# KiCad board hvd-50-idc-panel.kicad_pcb (continued)
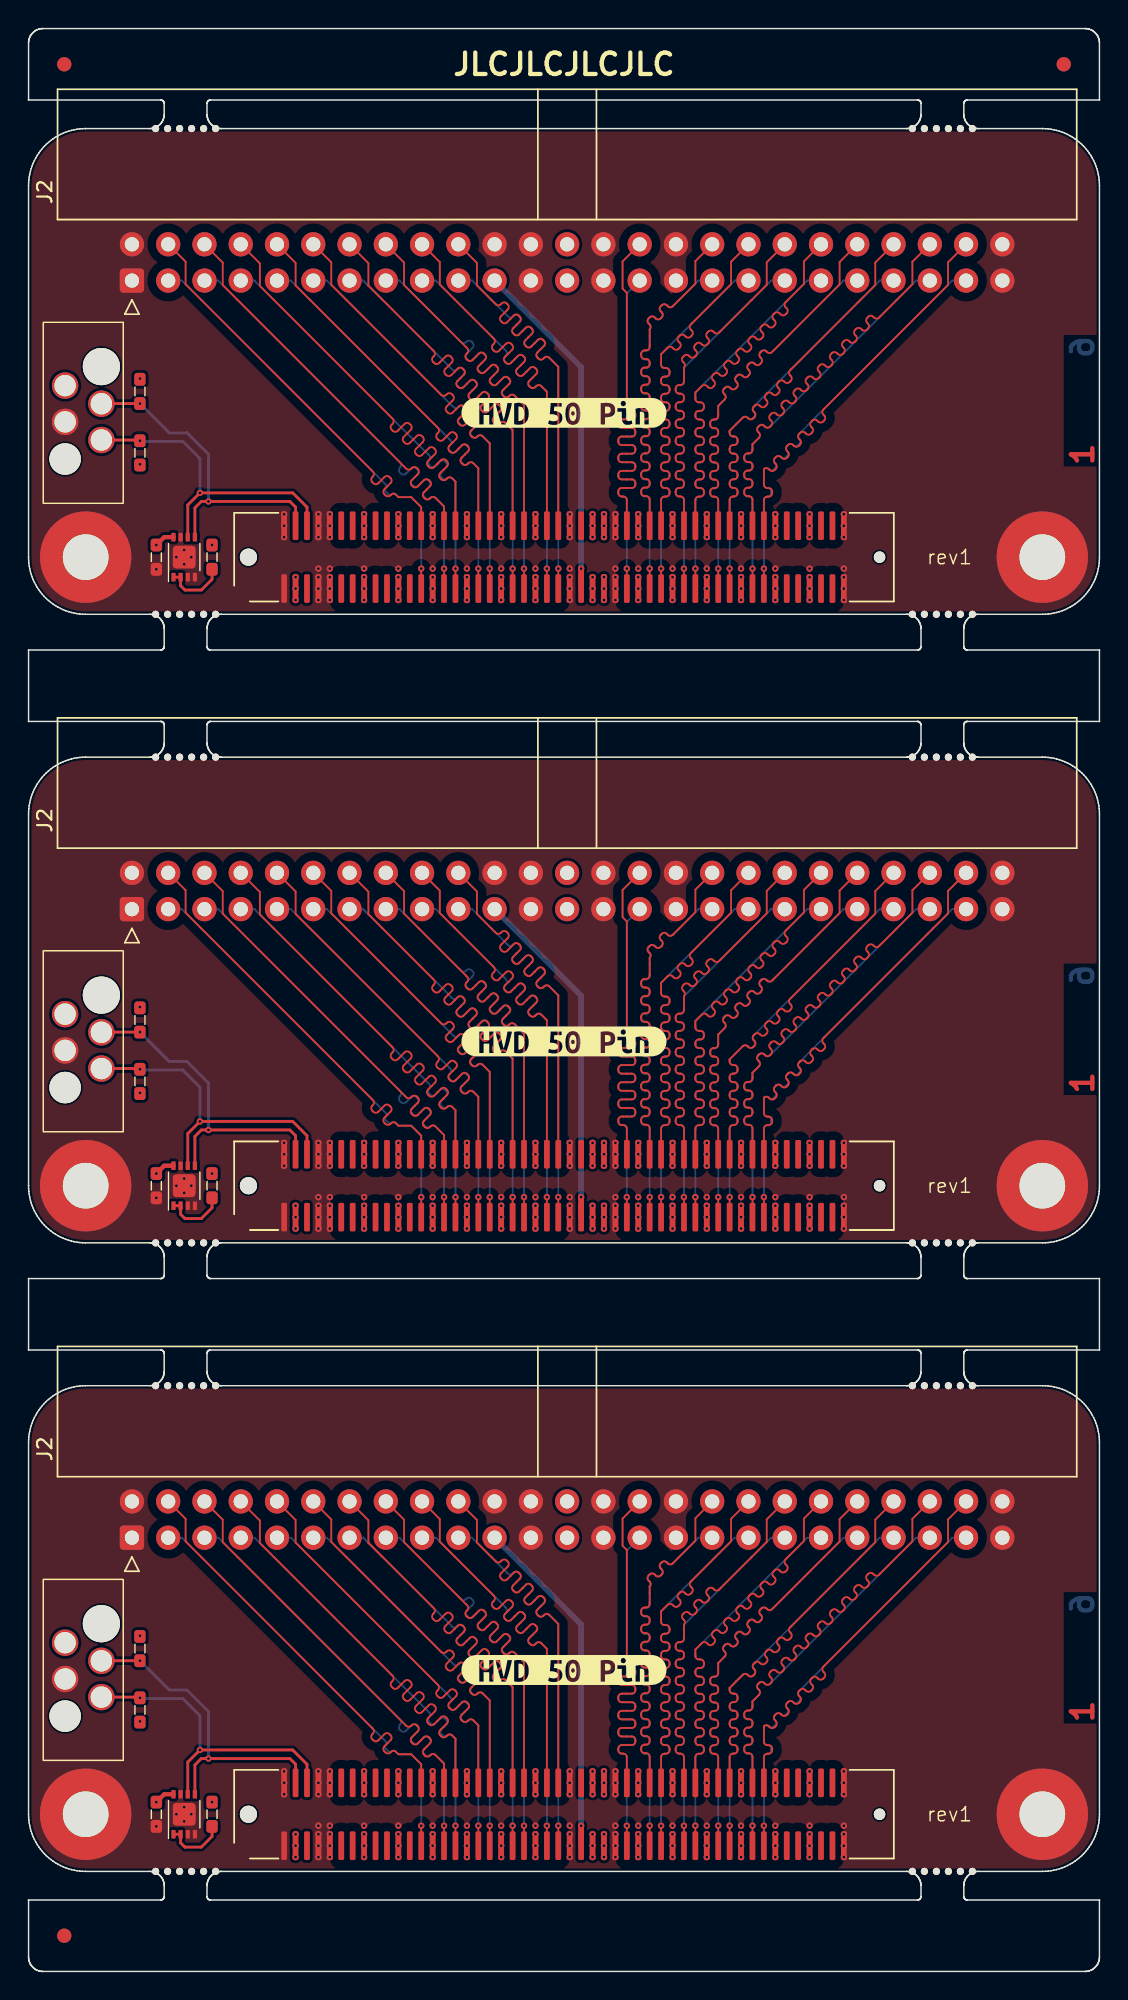
[diagram p0: board, top side]
## Routing (per net, layer and track width the routed paths; a pad name or vN(x,y) marks a point on that pad's centre or on a via; arc(x,y) is an arc through that point) (continued)
Board_0-/CON.RST+: length 30.4
  Top w0.128: J1#2.71 v1(45.9,98.2)
  Bottom w0.128: v1(45.9,98.2) 45.9,103 arc(45.83,103.17) 45.66,103.24 45.55,103.24 arc(45.38,103.31) 45.31,103.48 45.31,103.6 arc(45.38,103.77) 45.55,103.84 45.66,103.84 arc(45.83,103.91) 45.9,104.08 45.9,104.2 arc(45.83,104.37) 45.66,104.44 45.55,104.44 arc(45.38,104.51) 45.31,104.68 45.31,104.8 arc(45.38,104.97) 45.55,105.04 45.66,105.04 arc(45.83,105.11) 45.9,105.28 45.9,105.4 arc(45.83,105.57) 45.66,105.64 45.55,105.64 arc(45.38,105.71) 45.31,105.88 45.31,106 arc(45.38,106.17) 45.55,106.24 45.66,106.24 arc(45.83,106.31) 45.9,106.48 45.9,106.6 arc(45.83,106.77) 45.66,106.84 45.55,106.84 arc(45.38,106.91) 45.31,107.08 45.31,107.2 arc(45.38,107.37) 45.55,107.44 45.66,107.44 arc(45.83,107.51) 45.9,107.68 45.9,107.8 arc(45.83,107.97) 45.66,108.04 45.55,108.04 arc(45.38,108.11) 45.31,108.28 45.31,108.4 arc(45.38,108.57) 45.55,108.64 45.66,108.64 arc(45.83,108.71) 45.9,108.88 45.9,109 arc(45.83,109.17) 45.66,109.24 45.55,109.24 arc(45.38,109.31) 45.31,109.48 45.31,109.6 arc(45.38,109.77) 45.55,109.84 45.66,109.84 arc(45.83,109.91) 45.9,110.08 45.9,110.2 arc(45.83,110.37) 45.66,110.44 45.55,110.44 arc(45.38,110.51) 45.31,110.68 45.31,110.8 arc(45.38,110.97) 45.55,111.04 45.66,111.04 arc(45.83,111.11) 45.9,111.28 45.9,112.27 52,118.36 J2#2.37
Board_0-/CON.RST-: length 30
  Top w0.128: J1#2.72 45.9,103.01 arc(45.83,103.18) 45.66,103.25 45.56,103.25 arc(45.39,103.32) 45.32,103.49 45.32,103.61 arc(45.39,103.78) 45.56,103.85 45.66,103.85 arc(45.83,103.92) 45.9,104.09 45.9,104.21 arc(45.83,104.38) 45.66,104.45 45.56,104.45 arc(45.39,104.52) 45.32,104.69 45.32,104.81 arc(45.39,104.98) 45.56,105.05 45.66,105.05 arc(45.83,105.12) 45.9,105.29 45.9,105.41 arc(45.83,105.58) 45.66,105.65 45.56,105.65 arc(45.39,105.72) 45.32,105.89 45.32,106.01 arc(45.39,106.18) 45.56,106.25 45.66,106.25 arc(45.83,106.32) 45.9,106.49 45.9,106.61 arc(45.83,106.78) 45.66,106.85 45.56,106.85 arc(45.39,106.92) 45.32,107.09 45.32,107.21 arc(45.39,107.38) 45.56,107.45 45.66,107.45 arc(45.83,107.52) 45.9,107.69 45.9,107.81 arc(45.83,107.98) 45.66,108.05 45.56,108.05 arc(45.39,108.12) 45.32,108.29 45.32,108.41 arc(45.39,108.58) 45.56,108.65 45.66,108.65 arc(45.83,108.72) 45.9,108.89 45.9,109.01 arc(45.83,109.18) 45.66,109.25 45.56,109.25 arc(45.39,109.32) 45.32,109.49 45.32,109.61 arc(45.39,109.78) 45.56,109.85 45.66,109.85 arc(45.83,109.92) 45.9,110.09 45.9,110.21 arc(45.83,110.38) 45.66,110.45 45.56,110.45 arc(45.39,110.52) 45.32,110.69 45.32,110.81 arc(45.39,110.98) 45.56,111.05 45.66,111.05 arc(45.83,111.12) 45.9,111.29 45.9,112.27 arc(45.97,112.44) 45.9,112.61 45.83,112.68 arc(45.76,112.84) 45.83,113.01 45.92,113.1 arc(46.09,113.17) 46.26,113.1 46.32,113.03 arc(46.49,112.96) 46.66,113.03 46.75,113.12 arc(46.82,113.29) 46.75,113.45 46.68,113.52 arc(46.61,113.69) 46.68,113.86 46.76,113.95 arc(46.93,114.02) 47.1,113.95 47.17,113.88 arc(47.34,113.81) 47.51,113.88 47.6,113.96 arc(47.67,114.13) 47.6,114.3 47.53,114.37 arc(47.46,114.54) 47.53,114.71 47.61,114.8 arc(47.78,114.87) 47.95,114.8 48.02,114.73 arc(48.19,114.66) 48.36,114.73 51.7,118.07 51.7,119.64 J2#2.38
Board_0-/CON.SEL+: length 32.9
  Top w0.128: J1#2.77 v1(48.3,98.2)
  Bottom w0.128: J2#2.41 57.08,118.36 52.07,113.36 arc(51.9,113.29) 51.73,113.36 51.66,113.43 arc(51.49,113.5) 51.32,113.43 51.23,113.34 arc(51.16,113.17) 51.23,113 51.31,112.93 arc(51.38,112.76) 51.31,112.59 51.22,112.51 arc(51.05,112.44) 50.88,112.51 50.81,112.58 arc(50.64,112.65) 50.47,112.58 50.38,112.49 arc(50.31,112.32) 50.38,112.16 50.46,112.08 arc(50.53,111.91) 50.46,111.74 50.37,111.66 arc(50.2,111.59) 50.03,111.66 49.96,111.73 arc(49.79,111.8) 49.62,111.73 49.54,111.65 arc(49.47,111.48) 49.54,111.31 49.61,111.23 arc(49.68,111.06) 49.61,110.9 49.52,110.81 arc(49.35,110.74) 49.18,110.81 49.11,110.88 arc(48.94,110.95) 48.77,110.88 48.69,110.8 arc(48.62,110.63) 48.69,110.46 48.76,110.39 arc(48.83,110.22) 48.76,110.05 48.3,109.59 48.3,108.86 arc(48.23,108.69) 48.06,108.62 47.96,108.62 arc(47.79,108.55) 47.72,108.38 47.72,108.26 arc(47.79,108.09) 47.96,108.02 48.06,108.02 arc(48.23,107.95) 48.3,107.78 48.3,107.66 arc(48.23,107.49) 48.06,107.42 47.96,107.42 arc(47.79,107.35) 47.72,107.18 47.72,107.06 arc(47.79,106.89) 47.96,106.82 48.06,106.82 arc(48.23,106.75) 48.3,106.58 48.3,106.46 arc(48.23,106.29) 48.06,106.22 47.96,106.22 arc(47.79,106.15) 47.72,105.98 47.72,105.86 arc(47.79,105.69) 47.96,105.62 48.06,105.62 arc(48.23,105.55) 48.3,105.38 48.3,105.26 arc(48.23,105.09) 48.06,105.02 47.96,105.02 arc(47.79,104.95) 47.72,104.78 47.72,104.66 arc(47.79,104.49) 47.96,104.42 48.06,104.42 arc(48.23,104.35) 48.3,104.18 48.3,104.06 arc(48.23,103.89) 48.06,103.82 47.96,103.82 arc(47.79,103.75) 47.72,103.58 47.72,103.46 arc(47.79,103.29) 47.96,103.22 48.06,103.22 arc(48.23,103.15) 48.3,102.98 v1(48.3,98.2)
Board_0-/CON.SEL-: length 30
  Top w0.128: J2#2.42 56.8,119.66 56.8,118.09 52.07,113.36 arc(51.9,113.29) 51.73,113.36 51.68,113.41 arc(51.51,113.48) 51.34,113.41 51.25,113.33 arc(51.18,113.16) 51.25,112.99 51.31,112.93 arc(51.38,112.76) 51.31,112.59 51.22,112.51 arc(51.05,112.44) 50.88,112.51 50.83,112.56 arc(50.66,112.63) 50.49,112.56 50.4,112.48 arc(50.33,112.31) 50.4,112.14 50.46,112.08 arc(50.53,111.91) 50.46,111.74 50.37,111.66 arc(50.2,111.59) 50.03,111.66 49.98,111.71 arc(49.81,111.78) 49.64,111.71 49.55,111.63 arc(49.48,111.46) 49.55,111.29 49.61,111.23 arc(49.68,111.06) 49.61,110.9 49.52,110.81 arc(49.35,110.74) 49.18,110.81 49.13,110.86 arc(48.96,110.93) 48.79,110.86 48.71,110.78 arc(48.64,110.61) 48.71,110.44 48.76,110.39 arc(48.83,110.22) 48.76,110.05 48.3,109.59 48.3,108.88 arc(48.23,108.71) 48.06,108.64 47.98,108.64 arc(47.81,108.57) 47.74,108.4 47.74,108.28 arc(47.81,108.11) 47.98,108.04 48.06,108.04 arc(48.23,107.97) 48.3,107.8 48.3,107.68 arc(48.23,107.51) 48.06,107.44 47.98,107.44 arc(47.81,107.37) 47.74,107.2 47.74,107.08 arc(47.81,106.91) 47.98,106.84 48.06,106.84 arc(48.23,106.77) 48.3,106.6 48.3,106.48 arc(48.23,106.31) 48.06,106.24 47.98,106.24 arc(47.81,106.17) 47.74,106 47.74,105.88 arc(47.81,105.71) 47.98,105.64 48.06,105.64 arc(48.23,105.57) 48.3,105.4 48.3,105.28 arc(48.23,105.11) 48.06,105.04 47.98,105.04 arc(47.81,104.97) 47.74,104.8 47.74,104.68 arc(47.81,104.51) 47.98,104.44 48.06,104.44 arc(48.23,104.37) 48.3,104.2 48.3,104.08 arc(48.23,103.91) 48.06,103.84 47.98,103.84 arc(47.81,103.77) 47.74,103.6 47.74,103.48 arc(47.81,103.31) 47.98,103.24 48.06,103.24 arc(48.23,103.17) 48.3,103 J1#2.78
Board_0-/CON.TERMPWR:
  vias: v1(39.5,102) v1(39.5,101.2) v1(39.5,100.4) v1(39.5,97.6) v1(39.5,96.8) v1(39.5,96) v1(40.3,102) v1(40.3,101.2) v1(40.3,100.4) v1(40.3,97.6) v1(40.3,96.8) v1(40.3,96)
Board_0-/PHY.ID_SCL: length 22.5
  Top w0.2: U1#2.6 11.15,102.65 v1(12,103.5) 18.5,103.5 19.5,102.5 J1#2.6 ; v1(7.8,107.15) 7.45,107.15 7.4,107.2 J3.4
  Bottom w0.2: v1(7.8,107.15) 7.85,107.1 10.8,107.1 12,105.9 v1(12,103.5)
Board_0-/PHY.ID_SDA: length 23
  Top w0.2: J3.2 5.11,109.75 v1(7.8,109.75) ; J1#2.4 18.7,102.5 18.3,102.9 12.1,102.9 11.65,102.45 U1#2.5
  Bottom w0.2: v1(12.6,102.9) 12.6,106.2 11.1,107.7 9.85,107.7 v1(7.8,109.75)
Board_0-GND:
  vias: v1(8.95,98.15) v1(10.35,99) v1(10.9,99.5) v1(10.9,98.5) v1(11.4,99) v1(17.9,102) v1(17.9,101.2) v1(17.9,100.4) v1(20.3,102) v1(20.3,101.2) v1(20.3,100.4) v1(20.3,98.2) v1(20.3,97.6) v1(20.3,96.8) v1(20.3,96) v1(21.1,102) v1(21.1,101.2) v1(21.1,100.4) v1(21.1,98.2) v1(21.1,97.6) v1(21.1,96.8) v1(21.1,96) v1(23.5,102) v1(23.5,101.2) v1(23.5,100.4) v1(23.5,98.2) v1(23.5,97.6) v1(23.5,96.8) v1(23.5,96) v1(25.9,102) v1(25.9,101.2) v1(25.9,100.4) v1(25.9,98.2) v1(25.9,97.6) v1(25.9,96.8) v1(25.9,96) v1(28.3,102) v1(28.3,101.2) v1(28.3,100.4) v1(28.3,98.2) v1(28.3,97.6) v1(28.3,96.8) v1(28.3,96) v1(30.7,102) v1(30.7,101.2) v1(30.7,100.4) v1(30.7,98.2) v1(30.7,97.6) v1(30.7,96.8) v1(30.7,96) v1(33.1,102) v1(33.1,101.2) v1(33.1,100.4) v1(33.1,98.2) v1(33.1,97.6) v1(33.1,96.8) v1(33.1,96) v1(35.5,102) v1(35.5,101.2) v1(35.5,100.4) v1(35.5,98.2) v1(35.5,97.6) v1(35.5,96.8) v1(35.5,96) v1(37.9,102) v1(37.9,101.2) v1(37.9,100.4) v1(37.9,98.2) v1(37.9,97.6) v1(37.9,96.8) v1(37.9,96) v1(41.1,102) v1(41.1,101.2) v1(41.1,100.4) v1(41.1,98.2) v1(41.1,97.6) v1(41.1,96.8) v1(41.1,96) v1(42.7,102) v1(42.7,101.2) v1(42.7,100.4) v1(42.7,98.2) v1(42.7,97.6) v1(42.7,96.8) v1(42.7,96) v1(45.1,102) v1(45.1,101.2) v1(45.1,100.4) v1(45.1,98.2) v1(45.1,97.6) v1(45.1,96.8) v1(45.1,96) v1(47.5,102) v1(47.5,101.2) v1(47.5,100.4) v1(47.5,98.2) v1(47.5,97.6) v1(47.5,96.8) v1(47.5,96) v1(49.9,102) v1(49.9,101.2) v1(49.9,100.4) v1(49.9,98.2) v1(49.9,97.6) v1(49.9,96.8) v1(49.9,96) v1(52.3,102) v1(52.3,101.2) v1(52.3,100.4) v1(52.3,98.2) v1(52.3,97.6) v1(52.3,96.8) v1(52.3,96) v1(54.7,102) v1(54.7,101.2) v1(54.7,100.4) v1(54.7,98.2) v1(54.7,97.6) v1(54.7,96.8) v1(54.7,96) v1(57.1,102) v1(57.1,101.2) v1(57.1,100.4) v1(57.1,98.2) v1(57.1,97.6) v1(57.1,96.8) v1(57.1,96)
Board_0-Net-(U1-E0): length 4.4
  Top w0.2: U1#2.1 U1#2.2 10.65,97 10.95,96.7 12.1,96.7 12.85,97.45 R1.1
Board_1-+3V3: length 1.4
  Top w0.3: U1.8 9.5,56.4 v1(8.95,55.85)
  vias: v1(7.8,67.5) v1(7.8,61.5) v1(12.85,55.85) v1(18.7,53.6) v1(18.7,52.8) v1(18.7,52)
Board_1-/CON.ACK+: length 30.4
  Top w0.128: J1#3.67 v1(44.3,54.2)
  Bottom w0.128: J2#3.35 49.46,74.36 44.3,69.21 44.3,68.48 arc(44.37,68.31) 44.54,68.24 44.62,68.24 arc(44.79,68.17) 44.86,68 44.86,67.88 arc(44.79,67.71) 44.62,67.64 44.54,67.64 arc(44.37,67.57) 44.3,67.4 44.3,67.28 arc(44.37,67.11) 44.54,67.04 44.62,67.04 arc(44.79,66.97) 44.86,66.8 44.86,66.68 arc(44.79,66.51) 44.62,66.44 44.54,66.44 arc(44.37,66.37) 44.3,66.2 44.3,66.08 arc(44.37,65.91) 44.54,65.84 44.62,65.84 arc(44.79,65.77) 44.86,65.6 44.86,65.48 arc(44.79,65.31) 44.62,65.24 44.54,65.24 arc(44.37,65.17) 44.3,65 44.3,64.88 arc(44.37,64.71) 44.54,64.64 44.62,64.64 arc(44.79,64.57) 44.86,64.4 44.86,64.28 arc(44.79,64.11) 44.62,64.04 44.54,64.04 arc(44.37,63.97) 44.3,63.8 44.3,63.68 arc(44.37,63.51) 44.54,63.44 44.62,63.44 arc(44.79,63.37) 44.86,63.2 44.86,63.08 arc(44.79,62.91) 44.62,62.84 44.54,62.84 arc(44.37,62.77) 44.3,62.6 44.3,62.48 arc(44.37,62.31) 44.54,62.24 44.62,62.24 arc(44.79,62.17) 44.86,62 44.86,61.88 arc(44.79,61.71) 44.62,61.64 44.54,61.64 arc(44.37,61.57) 44.3,61.4 44.3,61.28 arc(44.37,61.11) 44.54,61.04 44.62,61.04 arc(44.79,60.97) 44.86,60.8 44.86,60.68 arc(44.79,60.51) 44.62,60.44 44.54,60.44 arc(44.37,60.37) 44.3,60.2 44.3,60.08 arc(44.37,59.91) 44.54,59.84 44.62,59.84 arc(44.79,59.77) 44.86,59.6 44.86,59.48 arc(44.79,59.31) 44.62,59.24 44.54,59.24 arc(44.37,59.17) 44.3,59 v1(44.3,54.2)
Board_1-/CON.ACK-: length 30
  Top w0.128: J2#3.36 49.2,75.68 49.2,74.11 46.37,71.28 arc(46.3,71.11) 46.37,70.94 46.45,70.86 arc(46.52,70.69) 46.45,70.52 46.37,70.43 arc(46.2,70.36) 46.03,70.43 45.95,70.52 arc(45.78,70.59) 45.61,70.52 45.52,70.43 arc(45.45,70.26) 45.52,70.09 45.61,70.01 arc(45.68,69.84) 45.61,69.67 45.52,69.58 arc(45.35,69.51) 45.18,69.58 45.1,69.67 arc(44.93,69.74) 44.76,69.67 44.3,69.21 44.3,68.48 arc(44.37,68.31) 44.54,68.24 44.66,68.24 arc(44.83,68.17) 44.9,68 44.9,67.88 arc(44.83,67.71) 44.66,67.64 44.54,67.64 arc(44.37,67.57) 44.3,67.4 44.3,67.28 arc(44.37,67.11) 44.54,67.04 44.66,67.04 arc(44.83,66.97) 44.9,66.8 44.9,66.68 arc(44.83,66.51) 44.66,66.44 44.54,66.44 arc(44.37,66.37) 44.3,66.2 44.3,66.08 arc(44.37,65.91) 44.54,65.84 44.66,65.84 arc(44.83,65.77) 44.9,65.6 44.9,65.48 arc(44.83,65.31) 44.66,65.24 44.54,65.24 arc(44.37,65.17) 44.3,65 44.3,64.88 arc(44.37,64.71) 44.54,64.64 44.66,64.64 arc(44.83,64.57) 44.9,64.4 44.9,64.28 arc(44.83,64.11) 44.66,64.04 44.54,64.04 arc(44.37,63.97) 44.3,63.8 44.3,63.68 arc(44.37,63.51) 44.54,63.44 44.66,63.44 arc(44.83,63.37) 44.9,63.2 44.9,63.08 arc(44.83,62.91) 44.66,62.84 44.54,62.84 arc(44.37,62.77) 44.3,62.6 44.3,62.48 arc(44.37,62.31) 44.54,62.24 44.66,62.24 arc(44.83,62.17) 44.9,62 44.9,61.88 arc(44.83,61.71) 44.66,61.64 44.54,61.64 arc(44.37,61.57) 44.3,61.4 44.3,61.28 arc(44.37,61.11) 44.54,61.04 44.66,61.04 arc(44.83,60.97) 44.9,60.8 44.9,60.68 arc(44.83,60.51) 44.66,60.44 44.54,60.44 arc(44.37,60.37) 44.3,60.2 44.3,60.08 arc(44.37,59.91) 44.54,59.84 44.66,59.84 arc(44.83,59.77) 44.9,59.6 44.9,59.48 arc(44.83,59.31) 44.66,59.24 44.54,59.24 arc(44.37,59.17) 44.3,59 J1#3.68
Board_1-/CON.ATN+: length 30.4
  Top w0.128: J1#3.61 v1(41.9,54.2)
  Bottom w0.128: v1(41.9,54.2) 41.9,59 arc(41.83,59.17) 41.66,59.24 41.56,59.24 arc(41.39,59.31) 41.32,59.48 41.32,59.6 arc(41.39,59.77) 41.56,59.84 42.24,59.84 arc(42.41,59.91) 42.48,60.08 42.48,60.2 arc(42.41,60.37) 42.24,60.44 41.56,60.44 arc(41.39,60.51) 41.32,60.68 41.32,60.8 arc(41.39,60.97) 41.56,61.04 42.24,61.04 arc(42.41,61.11) 42.48,61.28 42.48,61.4 arc(42.41,61.57) 42.24,61.64 41.56,61.64 arc(41.39,61.71) 41.32,61.88 41.32,62 arc(41.39,62.17) 41.56,62.24 42.24,62.24 arc(42.41,62.31) 42.48,62.48 42.48,62.6 arc(42.41,62.77) 42.24,62.84 41.56,62.84 arc(41.39,62.91) 41.32,63.08 41.32,63.2 arc(41.39,63.37) 41.56,63.44 42.24,63.44 arc(42.41,63.51) 42.48,63.68 42.48,63.8 arc(42.41,63.97) 42.24,64.04 41.56,64.04 arc(41.39,64.11) 41.32,64.28 41.32,64.4 arc(41.39,64.57) 41.56,64.64 41.66,64.64 arc(41.83,64.71) 41.9,64.88 41.9,73.46 J2#3.29
Board_1-/CON.ATN-: length 30
  Top w0.128: J2#3.30 41.6,75.7 41.6,73.8 41.9,73.5 41.9,65.48 arc(41.97,65.32) 42.14,65.24 42.26,65.24 arc(42.43,65.17) 42.5,65 42.5,64.88 arc(42.43,64.72) 42.26,64.64 41.54,64.64 arc(41.37,64.57) 41.3,64.4 41.3,64.28 arc(41.37,64.12) 41.54,64.04 42.26,64.04 arc(42.43,63.97) 42.5,63.8 42.5,63.68 arc(42.43,63.52) 42.26,63.44 41.54,63.44 arc(41.37,63.37) 41.3,63.2 41.3,63.08 arc(41.37,62.92) 41.54,62.84 42.26,62.84 arc(42.43,62.77) 42.5,62.6 42.5,62.48 arc(42.43,62.32) 42.26,62.24 41.54,62.24 arc(41.37,62.17) 41.3,62 41.3,61.88 arc(41.37,61.72) 41.54,61.64 42.26,61.64 arc(42.43,61.57) 42.5,61.4 42.5,61.28 arc(42.43,61.12) 42.26,61.04 41.54,61.04 arc(41.37,60.97) 41.3,60.8 41.3,60.68 arc(41.37,60.52) 41.54,60.44 42.26,60.44 arc(42.43,60.37) 42.5,60.2 42.5,60.08 arc(42.43,59.92) 42.26,59.84 41.54,59.84 arc(41.37,59.77) 41.3,59.6 41.3,59.48 arc(41.37,59.32) 41.54,59.24 41.66,59.24 arc(41.83,59.17) 41.9,59 J1#3.62
Board_1-/CON.BSY+: length 32.6
  Top w0.128: J1#3.65 v1(43.5,54.2)
  Bottom w0.128: J2#3.33 46.92,74.36 45.11,72.56 arc(44.94,72.49) 44.77,72.56 44.69,72.64 arc(44.52,72.71) 44.35,72.64 44.26,72.56 arc(44.19,72.39) 44.26,72.22 44.35,72.13 arc(44.42,71.97) 44.35,71.8 44.26,71.71 arc(44.09,71.64) 43.92,71.71 43.84,71.8 arc(43.67,71.87) 43.5,71.8 43.42,71.71 arc(43.34,71.54) 43.42,71.37 43.5,71.29 arc(43.57,71.12) 43.5,70.95 43.5,69.68 arc(43.43,69.51) 43.26,69.44 43.14,69.44 arc(42.97,69.37) 42.9,69.2 42.9,69.08 arc(42.97,68.91) 43.14,68.84 43.26,68.84 arc(43.43,68.77) 43.5,68.6 43.5,68.48 arc(43.43,68.31) 43.26,68.24 43.14,68.24 arc(42.97,68.17) 42.9,68 42.9,67.88 arc(42.97,67.71) 43.14,67.64 43.26,67.64 arc(43.43,67.57) 43.5,67.4 43.5,67.28 arc(43.43,67.11) 43.26,67.04 43.14,67.04 arc(42.97,66.97) 42.9,66.8 42.9,66.68 arc(42.97,66.51) 43.14,66.44 43.26,66.44 arc(43.43,66.37) 43.5,66.2 43.5,66.08 arc(43.43,65.91) 43.26,65.84 43.14,65.84 arc(42.97,65.77) 42.9,65.6 42.9,65.48 arc(42.97,65.31) 43.14,65.24 43.26,65.24 arc(43.43,65.17) 43.5,65 43.5,64.88 arc(43.43,64.71) 43.26,64.64 43.14,64.64 arc(42.97,64.57) 42.9,64.4 42.9,64.28 arc(42.97,64.11) 43.14,64.04 43.26,64.04 arc(43.43,63.97) 43.5,63.8 43.5,63.68 arc(43.43,63.51) 43.26,63.44 43.14,63.44 arc(42.97,63.37) 42.9,63.2 42.9,63.08 arc(42.97,62.91) 43.14,62.84 43.26,62.84 arc(43.43,62.77) 43.5,62.6 43.5,62.48 arc(43.43,62.31) 43.26,62.24 43.14,62.24 arc(42.97,62.17) 42.9,62 42.9,61.88 arc(42.97,61.71) 43.14,61.64 43.26,61.64 arc(43.43,61.57) 43.5,61.4 43.5,61.28 arc(43.43,61.11) 43.26,61.04 43.14,61.04 arc(42.97,60.97) 42.9,60.8 42.9,60.68 arc(42.97,60.51) 43.14,60.44 43.26,60.44 arc(43.43,60.37) 43.5,60.2 43.5,60.08 arc(43.43,59.91) 43.26,59.84 43.14,59.84 arc(42.97,59.77) 42.9,59.6 42.9,59.48 arc(42.97,59.31) 43.14,59.24 43.26,59.24 arc(43.43,59.17) 43.5,59 v1(43.5,54.2)
Board_1-/CON.BSY-: length 30
  Top w0.128: J2#3.34 46.7,75.72 46.7,74.15 45.11,72.56 arc(44.94,72.49) 44.77,72.56 44.69,72.64 arc(44.52,72.71) 44.35,72.64 44.27,72.55 arc(44.2,72.39) 44.27,72.22 44.35,72.13 arc(44.42,71.97) 44.35,71.8 44.26,71.71 arc(44.09,71.64) 43.92,71.71 43.84,71.79 arc(43.67,71.86) 43.5,71.79 43.42,71.71 arc(43.35,71.54) 43.42,71.37 43.5,71.29 arc(43.57,71.12) 43.5,70.95 43.5,69.72 arc(43.43,69.55) 43.26,69.48 43.15,69.48 arc(42.98,69.41) 42.91,69.24 42.91,69.12 arc(42.98,68.95) 43.15,68.88 43.26,68.88 arc(43.43,68.81) 43.5,68.64 43.5,68.52 arc(43.43,68.35) 43.26,68.28 43.15,68.28 arc(42.98,68.21) 42.91,68.04 42.91,67.92 arc(42.98,67.75) 43.15,67.68 43.26,67.68 arc(43.43,67.61) 43.5,67.44 43.5,67.32 arc(43.43,67.15) 43.26,67.08 43.15,67.08 arc(42.98,67.01) 42.91,66.84 42.91,66.72 arc(42.98,66.55) 43.15,66.48 43.26,66.48 arc(43.43,66.41) 43.5,66.24 43.5,66.12 arc(43.43,65.95) 43.26,65.88 43.15,65.88 arc(42.98,65.81) 42.91,65.64 42.91,65.52 arc(42.98,65.35) 43.15,65.28 43.26,65.28 arc(43.43,65.21) 43.5,65.04 43.5,64.92 arc(43.43,64.75) 43.26,64.68 43.15,64.68 arc(42.98,64.61) 42.91,64.44 42.91,64.32 arc(42.98,64.15) 43.15,64.08 43.26,64.08 arc(43.43,64.01) 43.5,63.84 43.5,63.72 arc(43.43,63.55) 43.26,63.48 43.15,63.48 arc(42.98,63.41) 42.91,63.24 42.91,63.12 arc(42.98,62.95) 43.15,62.88 43.26,62.88 arc(43.43,62.81) 43.5,62.64 43.5,62.52 arc(43.43,62.35) 43.26,62.28 43.15,62.28 arc(42.98,62.21) 42.91,62.04 42.91,61.92 arc(42.98,61.75) 43.15,61.68 43.26,61.68 arc(43.43,61.61) 43.5,61.44 43.5,61.32 arc(43.43,61.15) 43.26,61.08 43.15,61.08 arc(42.98,61.01) 42.91,60.84 42.91,60.72 arc(42.98,60.55) 43.15,60.48 43.26,60.48 arc(43.43,60.41) 43.5,60.24 43.5,60.12 arc(43.43,59.95) 43.26,59.88 43.15,59.88 arc(42.98,59.81) 42.91,59.64 42.91,59.52 arc(42.98,59.35) 43.15,59.28 43.26,59.28 arc(43.43,59.21) 43.5,59.04 J1#3.66
Board_1-/CON.C/D+: length 30.4
  Top w0.128: J1#3.79 v1(49.1,54.2)
  Bottom w0.128: v1(49.1,54.2) 49.1,59.02 arc(49.17,59.19) 49.34,59.26 49.42,59.26 arc(49.59,59.33) 49.66,59.5 49.66,59.62 arc(49.59,59.79) 49.42,59.86 49.34,59.86 arc(49.17,59.93) 49.1,60.1 49.1,60.22 arc(49.17,60.39) 49.34,60.46 49.42,60.46 arc(49.59,60.53) 49.66,60.7 49.66,60.82 arc(49.59,60.99) 49.42,61.06 49.34,61.06 arc(49.17,61.13) 49.1,61.3 49.1,61.42 arc(49.17,61.59) 49.34,61.66 49.42,61.66 arc(49.59,61.73) 49.66,61.9 49.66,62.02 arc(49.59,62.19) 49.42,62.26 49.34,62.26 arc(49.17,62.33) 49.1,62.5 49.1,62.62 arc(49.17,62.79) 49.34,62.86 49.42,62.86 arc(49.59,62.93) 49.66,63.1 49.66,63.22 arc(49.59,63.39) 49.42,63.46 49.34,63.46 arc(49.17,63.53) 49.1,63.7 49.1,63.85 50.02,64.77 arc(50.19,64.84) 50.36,64.77 50.41,64.71 arc(50.58,64.64) 50.75,64.71 50.84,64.8 arc(50.91,64.97) 50.84,65.14 50.78,65.19 arc(50.71,65.36) 50.78,65.53 50.87,65.61 59.62,74.36 J2#3.43
Board_1-/CON.C/D-: length 30
  Top w0.128: J2#3.44 59.3,75.62 59.3,74.05 53.41,68.16 53.33,68.08 arc(53.26,67.91) 53.33,67.74 53.38,67.68 arc(53.45,67.51) 53.38,67.34 53.3,67.26 arc(53.13,67.19) 52.96,67.26 52.9,67.31 arc(52.73,67.38) 52.56,67.31 52.48,67.23 arc(52.41,67.06) 52.48,66.89 52.53,66.83 arc(52.6,66.66) 52.53,66.49 52.45,66.41 arc(52.28,66.34) 52.11,66.41 52.06,66.46 arc(51.89,66.53) 51.72,66.46 51.63,66.38 arc(51.56,66.21) 51.63,66.04 51.68,65.99 arc(51.76,65.82) 51.68,65.65 51.6,65.56 arc(51.43,65.49) 51.26,65.56 51.21,65.61 arc(51.04,65.68) 50.87,65.61 50.78,65.53 arc(50.71,65.36) 50.78,65.19 50.84,65.14 arc(50.91,64.97) 50.84,64.8 50.75,64.71 arc(50.58,64.64) 50.41,64.71 50.36,64.77 arc(50.19,64.84) 50.02,64.77 49.1,63.85 49.1,63.69 arc(49.17,63.52) 49.34,63.45 49.42,63.45 arc(49.59,63.38) 49.66,63.21 49.66,63.09 arc(49.59,62.92) 49.42,62.85 49.34,62.85 arc(49.17,62.78) 49.1,62.61 49.1,62.49 arc(49.17,62.32) 49.34,62.25 49.42,62.25 arc(49.59,62.18) 49.66,62.01 49.66,61.89 arc(49.59,61.72) 49.42,61.65 49.34,61.65 arc(49.17,61.58) 49.1,61.41 49.1,61.29 arc(49.17,61.12) 49.34,61.05 49.42,61.05 arc(49.59,60.98) 49.66,60.81 49.66,60.69 arc(49.59,60.52) 49.42,60.45 49.34,60.45 arc(49.17,60.38) 49.1,60.21 49.1,60.09 arc(49.17,59.92) 49.34,59.85 49.42,59.85 arc(49.59,59.78) 49.66,59.61 49.66,59.49 arc(49.59,59.32) 49.42,59.25 49.34,59.25 arc(49.17,59.18) 49.1,59.01 J1#3.80
Board_1-/CON.DB0+: length 30.4
  Top w0.128: J1#3.25 v1(27.5,54.2)
  Bottom w0.128: J2#3.3 10.74,74.36 25.01,60.09 arc(25.07,59.96) 25.01,59.84 arc(24.96,59.72) 25.01,59.59 25.19,59.42 arc(25.31,59.36) 25.44,59.42 arc(25.56,59.47) 25.69,59.42 25.9,59.2 26.8,59.2 27.5,58.5 v1(27.5,54.2)
Board_1-/CON.DB0-: length 30
  Top w0.128: J1#3.26 27.5,58.5 26.8,59.2 25.9,59.2 25.73,59.38 arc(25.56,59.45) 25.39,59.38 25.34,59.33 arc(25.17,59.26) 25,59.33 24.92,59.41 arc(24.85,59.58) 24.92,59.75 25.36,60.19 arc(25.43,60.36) 25.36,60.53 25.27,60.61 arc(25.1,60.69) 24.93,60.61 24.49,60.17 arc(24.32,60.1) 24.15,60.17 24.07,60.26 arc(24,60.43) 24.07,60.6 24.12,60.65 arc(24.19,60.82) 24.12,60.99 24.03,61.07 11,74.11 11,75.68 J2#3.4
Board_1-/CON.DB1+: length 32.9
  Top w0.128: J1#3.29 v1(29.1,54.2)
  Bottom w0.128: J2#3.5 13.28,74.36 26.02,61.62 arc(26.09,61.45) 26.02,61.28 26,61.26 arc(25.93,61.09) 26,60.92 26.09,60.84 arc(26.26,60.77) 26.43,60.84 26.81,61.22 arc(26.98,61.29) 27.15,61.22 27.23,61.14 arc(27.3,60.97) 27.23,60.8 26.85,60.42 arc(26.78,60.25) 26.85,60.08 26.94,59.99 arc(27.11,59.92) 27.28,59.99 27.66,60.37 arc(27.83,60.44) 28,60.37 28.08,60.29 arc(28.15,60.12) 28.08,59.95 27.7,59.57 arc(27.63,59.4) 27.7,59.23 27.78,59.14 arc(27.95,59.07) 28.12,59.14 28.14,59.16 arc(28.31,59.23) 28.48,59.16 29.1,58.55 v1(29.1,54.2)
Board_1-/CON.DB1-: length 30
  Top w0.128: J1#3.30 29.1,58.55 28.49,59.15 arc(28.32,59.22) 28.15,59.15 28.1,59.1 arc(27.93,59.03) 27.76,59.1 27.68,59.19 arc(27.61,59.36) 27.68,59.53 28.12,59.97 arc(28.19,60.14) 28.12,60.31 28.04,60.39 arc(27.87,60.46) 27.7,60.39 27.25,59.95 arc(27.08,59.88) 26.91,59.95 26.83,60.04 arc(26.76,60.2) 26.83,60.37 27.27,60.82 arc(27.34,60.99) 27.27,61.16 27.19,61.24 arc(27.02,61.31) 26.85,61.24 26.8,61.19 arc(26.63,61.12) 26.46,61.19 13.6,74.05 13.6,75.62 J2#3.6
Board_1-/CON.DB2+: length 30.4
  Top w0.128: J1#3.31 v1(29.9,54.2)
  Bottom w0.128: v1(29.9,54.2) 29.9,60.29 29.67,60.51 arc(29.5,60.58) 29.34,60.51 arc(29.17,60.45) 29,60.51 28.91,60.61 arc(28.84,60.77) 28.91,60.94 29.25,61.28 arc(29.32,61.44) 29.25,61.61 29.16,61.7 arc(28.99,61.77) 28.82,61.7 28.49,61.37 arc(28.32,61.3) 28.15,61.37 28.06,61.45 arc(27.99,61.62) 28.06,61.79 arc(28.13,61.96) 28.06,62.12 27.98,62.21 15.82,74.36 J2#3.7
Board_1-/CON.DB2-: length 34.4
  Top w0.128: J2#3.8 16.2,75.56 16.2,73.99 25.5,64.68 arc(25.57,64.51) 25.5,64.34 25.43,64.27 arc(25.36,64.1) 25.43,63.93 25.51,63.84 arc(25.68,63.77) 25.85,63.84 26.34,64.34 arc(26.51,64.41) 26.68,64.34 26.77,64.25 arc(26.84,64.08) 26.77,63.91 26.27,63.42 arc(26.2,63.25) 26.27,63.08 26.36,63 arc(26.53,62.93) 26.7,63 27.19,63.49 arc(27.36,63.56) 27.53,63.49 27.62,63.4 arc(27.69,63.23) 27.62,63.06 27.12,62.57 arc(27.05,62.4) 27.12,62.23 27.21,62.15 arc(27.38,62.08) 27.55,62.15 28.04,62.64 arc(28.21,62.71) 28.38,62.64 28.46,62.55 arc(28.53,62.38) 28.46,62.21 27.97,61.72 arc(27.9,61.55) 27.97,61.38 28.06,61.3 arc(28.23,61.23) 28.4,61.3 28.89,61.79 arc(29.06,61.86) 29.23,61.79 29.31,61.71 arc(29.38,61.54) 29.31,61.37 28.82,60.87 arc(28.75,60.7) 28.82,60.54 28.91,60.45 arc(29.08,60.38) 29.24,60.45 29.32,60.53 arc(29.49,60.6) 29.66,60.53 29.9,60.29 J1#3.32
Board_1-/CON.DB3+: length 30.4
  Top w0.128: J1#3.35 v1(31.5,54.2)
  Bottom w0.128: J2#3.9 18.36,74.36 29.45,63.27 29.54,63.19 arc(29.61,63.02) 29.54,62.85 29.49,62.81 arc(29.42,62.64) 29.49,62.47 29.58,62.38 arc(29.75,62.31) 29.92,62.38 30.34,62.81 arc(30.51,62.88) 30.68,62.81 30.77,62.72 arc(30.84,62.55) 30.77,62.38 30.34,61.96 arc(30.27,61.79) 30.34,61.62 30.43,61.53 arc(30.6,61.46) 30.77,61.53 30.81,61.58 arc(30.98,61.65) 31.15,61.58 31.5,61.23 v1(31.5,54.2)
Board_1-/CON.DB3-: length 30
  Top w0.128: J2#3.10 18.7,75.6 18.7,74.03 28.68,64.04 arc(28.75,63.88) 28.68,63.71 28.62,63.64 arc(28.55,63.47) 28.62,63.3 28.7,63.21 arc(28.87,63.14) 29.04,63.21 29.51,63.69 arc(29.68,63.76) 29.85,63.69 29.94,63.6 arc(30.01,63.43) 29.94,63.26 29.46,62.79 arc(29.39,62.62) 29.46,62.45 29.55,62.37 arc(29.72,62.3) 29.89,62.37 30.36,62.84 arc(30.53,62.91) 30.7,62.84 30.79,62.75 arc(30.86,62.58) 30.79,62.41 30.31,61.94 arc(30.24,61.77) 30.31,61.6 30.4,61.52 arc(30.57,61.45) 30.74,61.52 30.8,61.58 arc(30.97,61.65) 31.14,61.58 31.5,61.23 J1#3.36
Board_1-/CON.DB4+: length 30.4
  Top w0.128: J1#3.37 v1(32.3,54.2)
  Bottom w0.128: J2#3.11 20.9,74.36 29.77,65.5 arc(29.94,65.43) 30.11,65.5 30.14,65.53 arc(30.31,65.6) 30.48,65.53 30.56,65.44 arc(30.63,65.27) 30.56,65.1 30.16,64.7 arc(30.09,64.53) 30.16,64.36 30.25,64.28 arc(30.42,64.21) 30.59,64.28 30.99,64.68 arc(31.16,64.75) 31.33,64.68 31.41,64.59 arc(31.48,64.42) 31.41,64.25 31.01,63.86 arc(30.94,63.69) 31.01,63.52 31.1,63.43 arc(31.27,63.36) 31.44,63.43 31.47,63.46 arc(31.64,63.53) 31.81,63.46 32.3,62.97 v1(32.3,54.2)
Board_1-/CON.DB4-: length 30
  Top w0.128: J1#3.38 32.3,62.97 31.79,63.47 arc(31.62,63.54) 31.45,63.47 31.4,63.42 arc(31.23,63.35) 31.06,63.42 30.98,63.51 arc(30.91,63.67) 30.98,63.84 31.42,64.29 arc(31.49,64.46) 31.42,64.63 31.34,64.72 arc(31.17,64.79) 31,64.72 30.55,64.27 arc(30.38,64.2) 30.21,64.27 30.13,64.35 arc(30.06,64.52) 30.13,64.69 30.57,65.14 arc(30.64,65.31) 30.57,65.48 30.49,65.56 arc(30.32,65.63) 30.15,65.56 29.7,65.12 arc(29.53,65.05) 29.36,65.12 29.28,65.2 arc(29.21,65.37) 29.28,65.54 29.73,65.99 arc(29.8,66.16) 29.73,66.33 29.64,66.41 arc(29.47,66.48) 29.3,66.41 29.25,66.36 arc(29.08,66.29) 28.91,66.36 21.2,74.07 21.2,75.64 J2#3.12